# Altium PCB WaterPurifier.PcbDoc
Units mm, origin at the board's own origin, x right, y up, seen from the top; angles counter-clockwise.
Board outline 48 x 59 mm, 2 copper layers (Top Layer, Bottom Layer); 49 components, 43 nets, 223 pads, 74 vias.
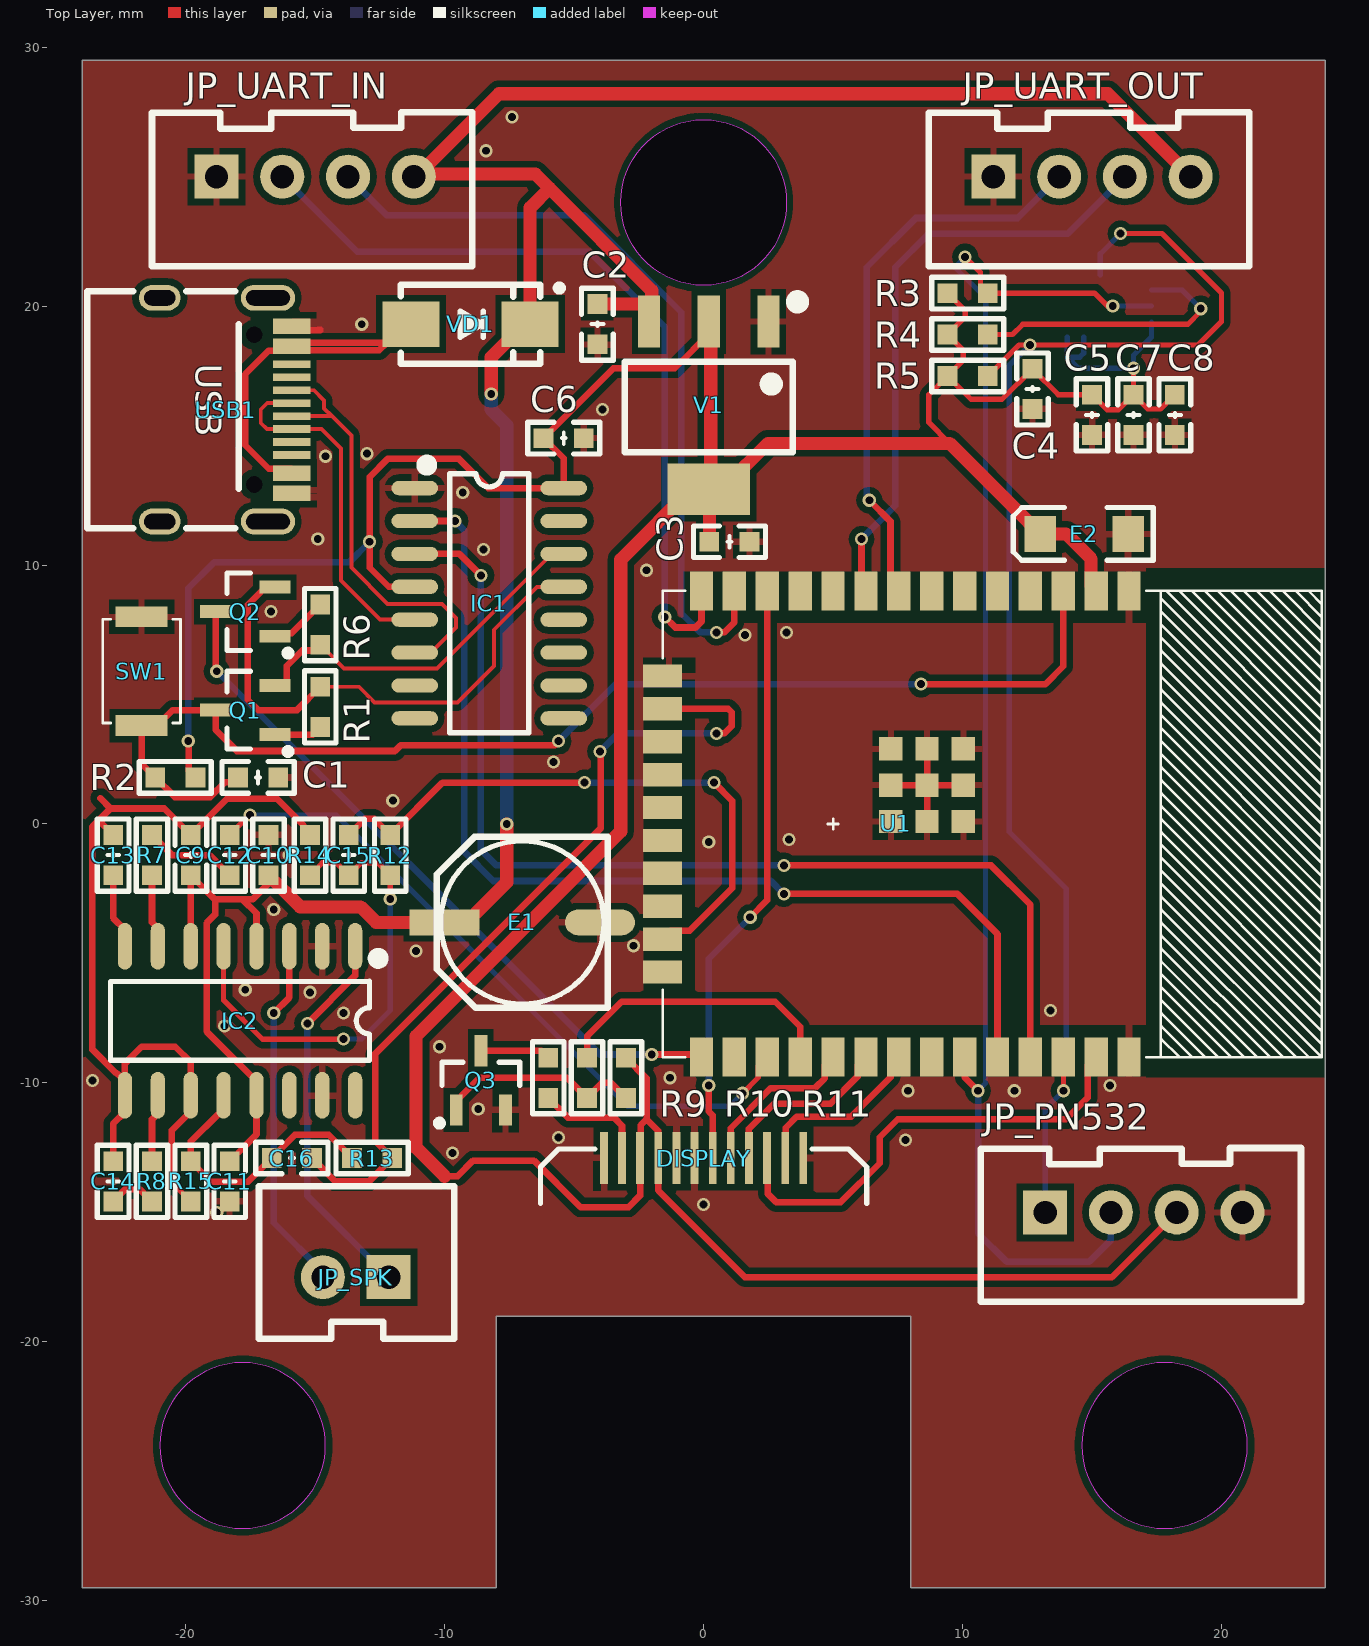
[diagram p0: Top Layer view]
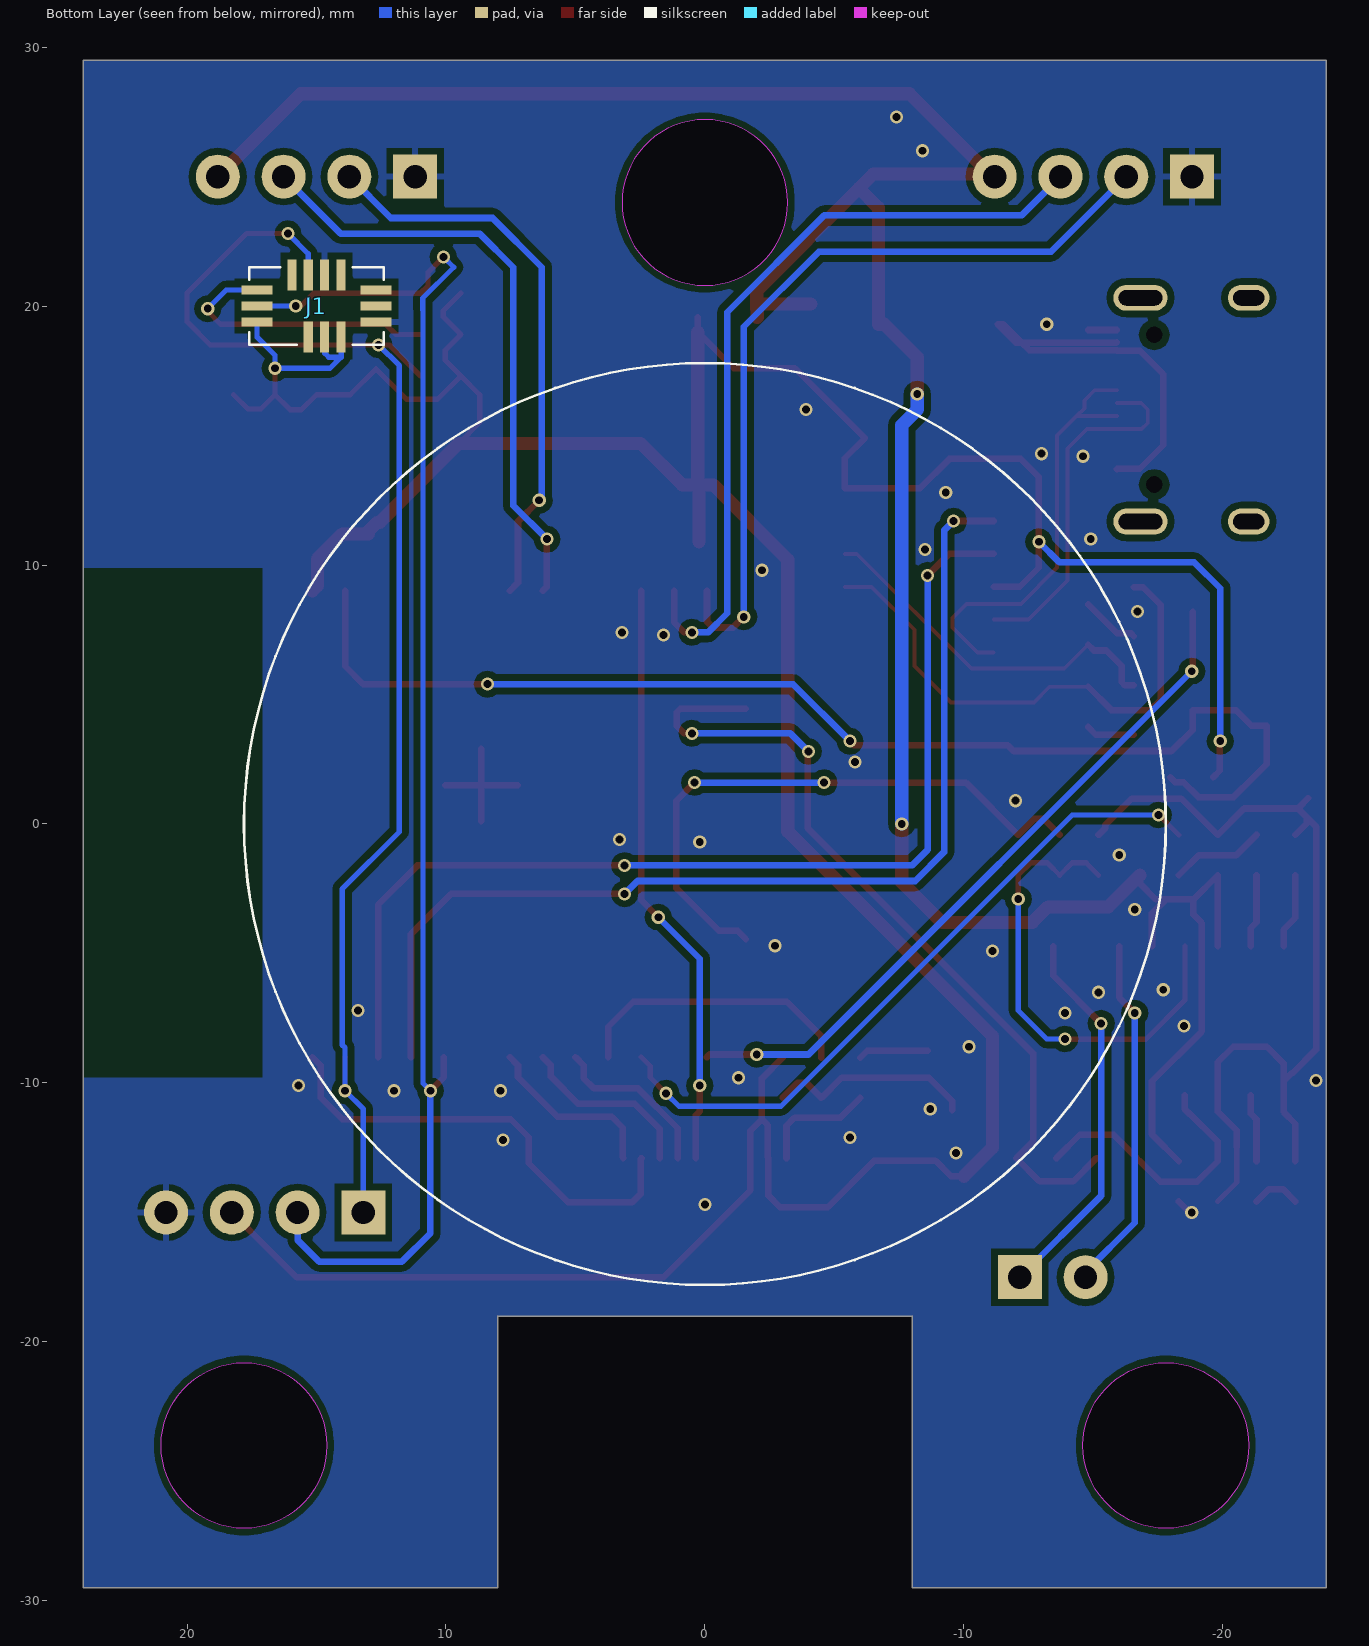
[diagram p1: Bottom Layer view, seen from below]
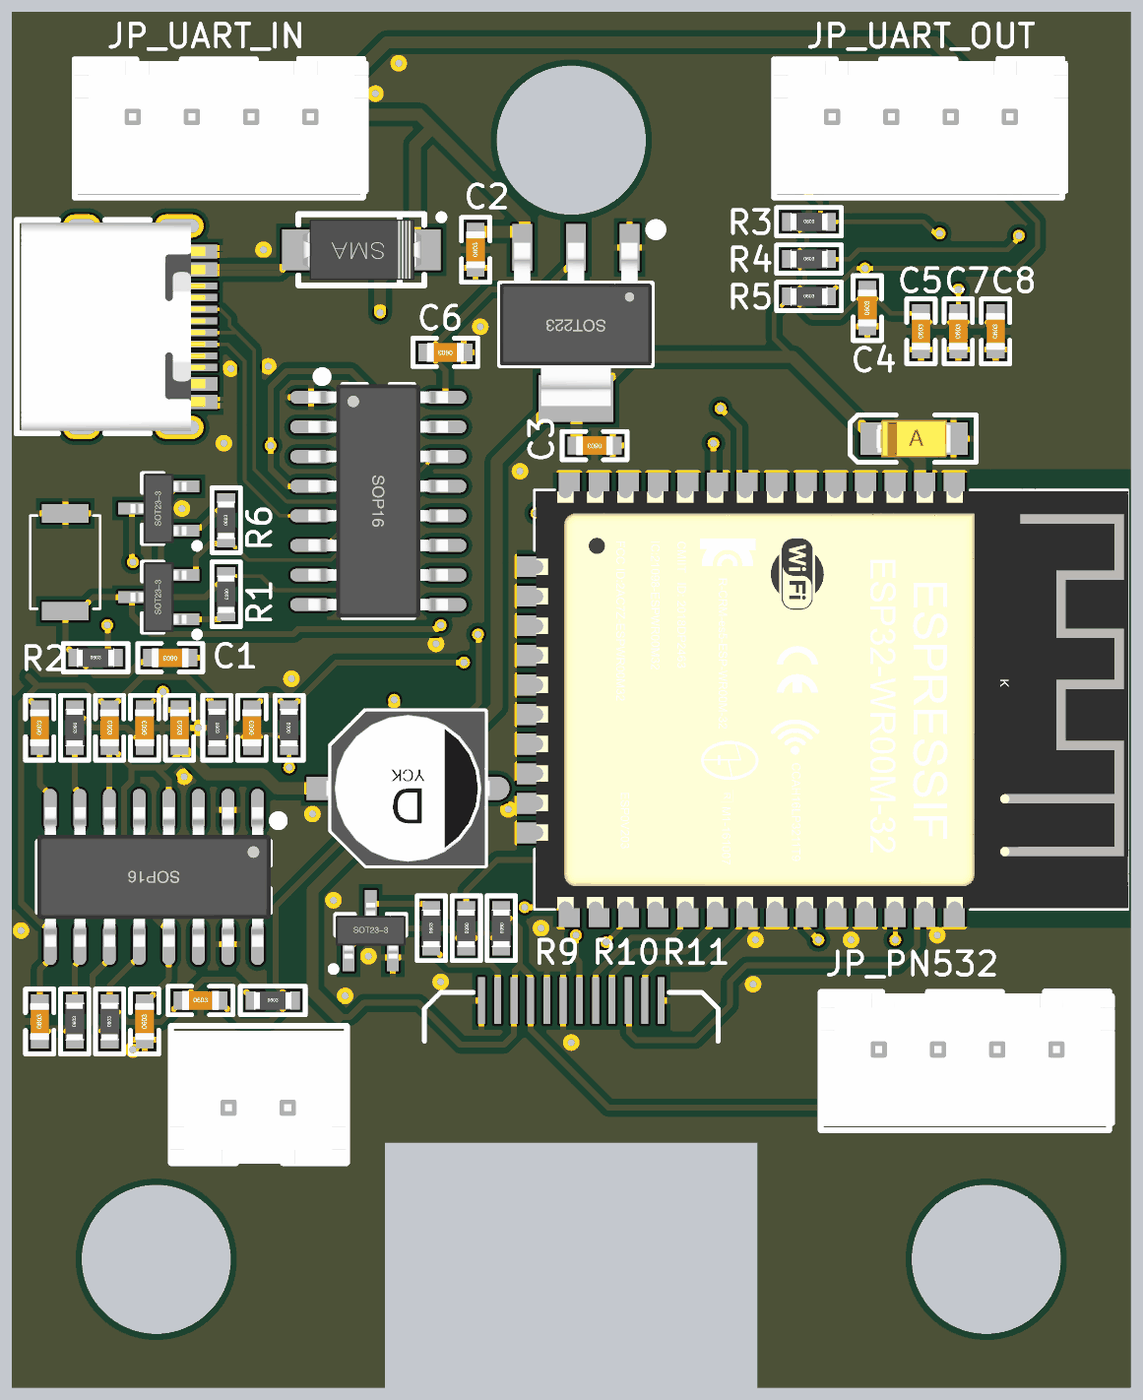
[diagram p2: 3D render of the assembled board from above, using the file's embedded part models]

## Layer stack, top to bottom
Top Solder: solder mask 0.0102, Solder Resist, Dk 3.5
Top Layer: signal copper 0.0356
Dielectric 1: dielectric 0.32, FR-4, Dk 4.8
Bottom Layer: signal copper 0.0356
Bottom Solder: solder mask 0.0102, Solder Resist, Dk 3.5

## Board outline
-24,-29.5 -24,29.5 24,29.5 24,-29.5 8,-29.5 8,-19 -8,-19 -8,-29.5
cut-out: 14.6,-24 ccw(c17.8,-24) 17.8,-27.2 ccw(c17.8,-24) 21,-24 ccw(c17.8,-24) 17.8,-20.8 ccw(c17.8,-24)
cut-out: -21,-24 ccw(c-17.8,-24) -17.8,-27.2 ccw(c-17.8,-24) -14.6,-24 ccw(c-17.8,-24) -17.8,-20.8 ccw(c-17.8,-24)
cut-out: 0,20.8 cw(c0,24) -3.2,24 cw(c0,24) 0,27.2 cw(c0,24) 3.2,24 cw(c0,24)

## Design rules (kind name [scope] priority, off if disabled: settings)
Clearance [All] p1: gap=0.254 ignorepadtopadclearanceinfootprint=FALSE except(0: Arc-Hole Track-Hole SMDPad-Hole THPad-Hole Via-Hole Fill-Hole Poly-Hole Region-Hole Text-Hole)
PlaneConnect [All] p1: pad.planeconnectstyle=Relief pad.reliefexpansion=0.508 pad.reliefentries=4 pad.reliefconductorwidth=0.254 pad.reliefairgap=0.254 via.planeconnectstyle=Direct via.reliefexpansion=0.508 via.reliefentries=4 via.reliefconductorwidth=0.254 via.reliefairgap=0.254
PolygonConnect [All] p1: thpad.connectstyle=Relief thpad.reliefconductorwidth=0.254 thpad.reliefentries=4 thpad.polygonreliefangle="90 Angle" thpad.airgapwidth=0.254 smdpad.connectstyle=Relief smdpad.reliefconductorwidth=0.254 smdpad.reliefentries=4 smdpad.polygonreliefangle="90 Angle" smdpad.airgapwidth=0.254 via.connectstyle=Direct via.reliefconductorwidth=0.254 via.reliefentries=4 via.polygonreliefangle="90 Angle" via.airgapwidth=0.254
RoutingVias [All] p1: holewidth=0.711 width=1.27 viastyle="Through Hole" minholewidth=0.305 minwidth=0.508 maxholewidth=0.305 maxwidth=0.508
SolderMaskExpansion [All] p1: expansion=0.102
Width [All] p1: maxlimit=0.508 minlimit=0.152 preferedwidth=0.254
29 further rules are at their usual default settings.

## Classes and differential pairs
component class WaterPurifier: J1

## Components (designator, comment, footprint, x,y, rotation, side; value= is the part's Value field where it differs from the comment)
C1 "105" "C 0603_L" -17.2,1.8 r180 top
C2 "106" "C 0603_L" -4.1,19.3 r90 top
C3 "106" "C 0603_L" 1,10.9 r180 top
C4 "105" "C 0603_L" 12.7,16.8 r90 top
C5 "105" "C 0603_L" 15,15.8 r90 top
C6 "104" "C 0603_L" -5.4,14.9 r180 top
C7 "105" "C 0603_L" 16.6,15.8 r90 top
C8 "106" "C 0603_L" 18.2,15.8 r90 top
C9 "105" "C 0603_L" -19.8,-1.2 r270 top
C10 "105" "C 0603_L" -16.8,-1.2 r270 top
C11 "105" "C 0603_L" -18.3,-13.8 r90 top
C12 "0.47uf" "C 0603_L" -18.3,-1.2 r90 top
C13 "105" "C 0603_L" -22.8,-1.2 r90 top
C14 "0.47uf" "C 0603_L" -22.8,-13.8 r90 top
C15 "104" "C 0603_L" -13.7,-1.2 r90 top
C16 "104" "C 0603_L" -15.9,-12.9 r0 top
DISPLAY "FPC1.0-12P" "FPC0.7 2H-WS-12P" 0,-15 r0 top locked
E1 "470uF/10V" "CM D(6.3*7.7)" -7,-3.8 r180 top
E2 "100uF/6.3V" "CD A(3216)" 14.7,11.2 r0 top
IC1 "CH340C" SOP16_N -8.277,8.525 r0 top
IC2 "PAM8403" SOP16_N -17.9,-7.6 r270 top
J1 "PAJ7620U2" PAJ7620U2 15,20 r90 bottom locked
JP_PN532 "HDR-1X4" XH2.54-LI-4P 17,-15 r0 top
JP_SPK "HDR-1X2" XH2.54-LI-2P -13.43,-17.5 r180 top
JP_UART_IN "HDR-1X4" XH2.54-LI-4P -15,25 r0 top locked
JP_UART_OUT "HDR-1X4" XH2.54-LI-4P 15,25 r0 top locked
Q1 "SS8050" SOT23-3N -17.7,4.4 r90 top
Q2 "SS8050" SOT23-3N -17.7,8.2 r90 top
Q3 "SS8050" SOT23-3N -8.6,-9.9 r0 top
R1 "10K" "R 0603_L" -14.8,4.523 r270 top
R2 "10K" "R 0603_L" -20.4,1.8 r0 top
R3 "10K" "R 0603_L" 10.2,20.5 r0 top
R4 "10K" "R 0603_L" 10.2,18.9 r0 top
R5 "10K" "R 0603_L" 10.2,17.3 r0 top
R6 "10K" "R 0603_L" -14.8,7.7 r90 top
R7 "10K" "R 0603_L" -21.3,-1.2 r270 top
R8 "10K" "R 0603_L" -21.3,-13.8 r90 top
R9 "10" "R 0603_L" -6,-9.8 r90 top
R10 "1K" "R 0603_L" -4.5,-9.8 r270 top
R11 "10K" "R 0603_L" -3,-9.8 r270 top
R12 "100k" "R 0603_L" -12.1,-1.2 r90 top
R13 "100k" "R 0603_L" -12.8,-12.9 r0 top
R14 "100k" "R 0603_L" -15.2,-1.2 r270 top
R15 "100k" "R 0603_L" -19.8,-13.8 r90 top
SW1 "3x6x5" TS3x4x2 -21.7,5.9 r180 top
U1 "ESP32-WROOM" ESP32-WROOM 5,0 r270 top locked
USB1 "USB-C" "USB Type-C-16Pin_A" -21,16 r270 top
V1 "AMS1117-3V3" SOT223_N 0.2,16.1 r180 top
VD1 "SS34" SMA -9,19.3 r0 top

## Footprints (in the part's own frame and the unit in brackets; to place one, negate y for a bottom-side part, rotate by r counter-clockwise, add the part's x,y. Pads: shape width x height; smd on the part's side, far side on the other; paste and mask are expansions set on the pad)
"C 0603_L" [mil] "无极性贴片电容"
  rect 30x30 smd: 1(-30.59,0) 2(30.59,0)
  silkscreen extent -55,-24 55,24, body extent -31,-16 31,16, height 32
"CD A(3216)" [mm] "长3.2mm，宽1.6mm，厚1.6mm"
  rect 1.2x1.4 smd: 1(-1.7,0) 2(1.7,0)
  silkscreen extent -2.74,-1.02 2.67,1.02, body extent -1.6,-0.8 1.6,0.8, height 1.6
"CM D(6.3*7.7)" [mm] "贴片电解电容，直径6.3mm，高7.7mm"
  rect 2.7x1 smd: 1(3,0)
  oval 2.7x1 smd: 2(-3,0)
  silkscreen extent -3.3,-3.3 3.3,3.3, body extent -3.5,-3.3 3.5,3.3, height 7.7
ESP32-WROOM [mm]
  rect 1.5x0.9 smd: 1(-9,11.43) 2(-9,10.16) 3(-9,8.89) 4(-9,7.62) 5(-9,6.35) 6(-9,5.08) 7(-9,3.81) 8(-9,2.54) 9(-9,1.27) 10(-9,0) 11(-9,-1.27) 12(-9,-2.54) 13(-9,-3.81) 14(-9,-5.08) 25(9,-5.08) 26(9,-3.81) 27(9,-2.54) 28(9,-1.27) 29(9,0) 30(9,1.27) 31(9,2.54) 32(9,3.81) 33(9,5.08) 34(9,6.35) 35(9,7.62) 36(9,8.89) 37(9,10.16) 38(9,11.43)
  rect 0.9x1.5 smd: 15(-5.715,-6.58) 16(-4.445,-6.58) 17(-3.175,-6.58) 18(-1.905,-6.58) 19(-0.635,-6.58) 20(0.635,-6.58) 21(1.905,-6.58) 22(3.175,-6.58) 23(4.445,-6.58) 24(5.715,-6.58)
  rect 0.9x0.9 smd: 39(-2.9,5.03) 39(-2.9,3.63) 39(-2.9,2.23) 39(-1.5,5.03) 39(-1.5,3.63) 39(-1.5,2.23) 39(-0.1,5.03) 39(-0.1,3.63) 39(-0.1,2.23)
  silkscreen extent -9,-6.58 9,18.87, body extent -8.95,-6.5 8.95,18.9, height 2.61
"FPC0.7 2H-WS-12P" [mm] "长：10.2mm，宽：5.2mm，高：2mm"
  rect 0.3x2 smd: 1(-3.85,2.1) 2(-3.15,2.1) 3(-2.45,2.1) 4(-1.75,2.1) 5(-1.05,2.1) 6(-0.35,2.1) 7(0.35,2.1) 8(1.05,2.1) 9(1.75,2.1) 10(2.45,2.1) 11(3.15,2.1) 12(3.85,2.1)
  silkscreen extent -6.3,0.35 6.3,2.45
PAJ7620U2 [mm] "手势传感器"
  rect 0.35x1.2 smd: 1(-0.618,2.3) 2(0,2.3) 3(0.618,2.3) 8(0.618,-2.3) 9(0,-2.3) 10(-0.618,-2.3)
  rect 1.2x0.35 smd: 4(1.2,0.953) 5(1.2,0.318) 6(1.2,-0.318) 7(1.2,-0.953) 11(-1.2,-0.953) 12(-1.2,-0.318) 13(-1.2,0.318)
  silkscreen extent -1.5,-2.6 1.5,2.6
"R 0603_L" [mil] "1/10W贴片电阻"
  rect 30x30 smd: 1(-30.59,0) 2(30.59,0)
  silkscreen extent -55,-24 55,24, body extent -31,-16 32,16, height 16
SMA [mm] "4.5x2.6*2.2mm（长宽高，不包括引脚）"
  rect 2.2x1.75 smd: 1(-2.3,0) 2(2.3,0)
  silkscreen extent -2.7,-1.52 3.56,1.52, body extent -2.53,-1.3 2.58,1.3, height 2.15
SOP16_N [mm] "10.3*6.2*1.8mm（长宽高）"
  oval 1.8x0.55 smd: 1(-2.877,4.445) 2(-2.877,3.175) 3(-2.877,1.905) 4(-2.877,0.635) 5(-2.877,-0.635) 6(-2.877,-1.905) 7(-2.877,-3.175) 8(-2.877,-4.445) 9(2.877,-4.445) 10(2.877,-3.175) 11(2.877,-1.905) 12(2.877,-0.635) 13(2.877,0.635) 14(2.877,1.905) 15(2.877,3.175) 16(2.877,4.445)
  silkscreen extent -2.57,-5 1.52,5.49, body extent -3,-5 3,5, height 1.9
SOT23-3N [mm] "3x1.3x1mm(长宽高)"
  rect 0.5x1.2 smd: 1(-0.95,-1.143) 2(0.95,-1.143) 3(0,1.143)
  silkscreen extent -1.72,-1.78 1.5,0.7, body extent -1.5,-1.2 1.5,1.2, height 1.05
SOT223_N [mm] "6.4x7x1.6mm(长宽高)"
  rect 0.85x2 smd: 1(-2.3,-3.302) 2(0,-3.302) 3(2.3,-3.302)
  rect 3.2x2 smd: 2(0,3.175)
  silkscreen extent -3.63,-4.26 3.25,1.75, body extent -3.25,-3.51 3.25,3.51, height 1.65
TS3x4x2 [mm] "防水轻触开关3x4x2"
  rect 2x0.8 smd: 1(0,2.1) 2(0,-2.1)
  silkscreen extent -1.5,-2 1.5,2
"USB Type-C-16Pin_A" [mm]
  round 0 hole 0.65: 0(-2.89,3.65) 0(2.89,3.65)
  oval 1x2.1 hole 0.6 slot 1.7 at 90 deg: 1(-4.32,4.18) 1(4.32,4.18)
  oval 1x1.6 hole 0.6 slot 1.2 at 90 deg: 1(-4.32,0) 1(4.32,0)
  rect 0.3x1.45 smd: A1(-3.375,5.092) A4(-2.6,5.092) A5(-1.25,5.092) A6(-0.25,5.092) A7(0.25,5.092) A8(-1.75,5.092) A9(2.6,5.1) A12(3.375,5.1) B1(3.075,5.1) B4(2.3,5.1) B5(1.75,5.092) B6(0.75,5.092) B7(-0.75,5.092) B8(1.25,5.092) B9(-2.3,5.092) B12(-3.075,5.092)
  silkscreen extent -4.57,-2.79 4.57,3.05, body extent -4.47,-2.6 4.47,5.3, height 3.25
XH2.54-LI-2P [mm] "接插件，2P"
  rect 1.7x1.7 hole 0.9: 1(-1.27,0)
  round 1.7 hole 0.9: 2(1.27,0)
  silkscreen extent -3.81,-3.51 3.74,2.37, body extent -3.77,-3.3 3.77,2.4, height 7.05
XH2.54-LI-4P [mm] "接插件，4P"
  rect 1.7x1.7 hole 0.9: 1(-3.81,0)
  round 1.7 hole 0.9: 2(-1.27,0) 3(1.27,0) 4(3.81,0)
  silkscreen extent -6.3,-3.45 6.07,2.49, body extent -6.31,-3.3 6.31,2.4, height 7.03

## Part data
C1 C2 C3 C4 C5 C6 C7 C8 C9 C10 C11 C12 C13 C14 C15 C16: library part C, "无极性贴片电容"
DISPLAY: library part FPC-12P, "FPC连接器", BOM名称=FPC连, 学习资源=www.ooocke.
E1: library part C-CM, "贴片电解电容"
E2: library part C-CD, "贴片钽电容"
IC1: library part CH340G, "串口转USB", BOM名称=´®¿Ú×, 学习资源=www.ooocke.
IC2: "2X3W D类功放", BOM名称="2X3W D类", 学习资源=www.ooocke.
J1: "反射型光耦"
JP_PN532 JP_UART_IN JP_UART_OUT: library part "Header 4", "4P接插件", BOM名称=4P接, 学习资源=www.ooocke.
JP_SPK: library part "Header 2", "2P接插件", BOM名称=2P接, 学习资源=www.ooocke.
Q1 Q2 Q3: library part 8050-SMD, "高频放大-NPN型", BOM名称=高频放大, 学习资源=www.ooocke., 属性="40V 1.5A 1W 100MH"
R1 R2 R3 R4 R5 R6 R7 R8 R9 R10 R11 R12 R13 R14 R15: library part R, "贴片电阻"
SW1: library part "TS 3x4", "3x6轻触开关", BOM名称=3x6Çá´, 学习资源=www.ooocke.
USB1: library part USB-C-16P, "USB-C型母接口", BOM名称=USB-CÐÍÄ, 学习资源=www.ooocke.
V1: library part AMS1117, "三端稳压芯片", BOM名称=ÎÈÑ, 学习资源=www.ooocke.
VD1: library part SS14, "肖特基二极管"

## Via types
v1: diameter 0.508, hole 0.305, Top Layer to Bottom Layer, 74 vias

## Nets (pads, with @x,y where several pads share a name; then routed paths per layer and width w, separated by ;. In a path a pad name is that pad's centre, name@x,y a point inside that pad or via, vN(x,y) a via of type N, cw(c..) or ccw(c..) an arc to the next point about the centre after c; other vN are vias at no path point)
3V3: C3.2 C4.2 C5.2 C6.2 C7.2 C8.2 DISPLAY.3 DISPLAY.4 E2.1 IC1.4 IC1.16 J1.1 J1.11 J1.12 JP_PN532.3 R2.2 R3.1 R4.1 R5.1 R11.1 U1.2 V1.2 | length 165.2
  Top Layer w0.203: R3.1 10.1,19.823 10.1,19.577 R4.1 10.023,18.3 10.023,17.9 R5.1 ; 9.5,14.7 8.7,15.5 8.7,16.577 R5.1 ; v1(16.6,17.6) C7.2 ; C8.2 17.646,16.023 17.154,16.023 C7.2 ; R5.1 10.323,16.4 11.523,16.4 C4.2 13.7,16.577 C5.2 15.577,16 16.023,16 C7.2
  Top Layer w0.254: v1(-19.9,3.2) -19.877,3.177 -19.877,2.054 R2.2 ; IC1.4 -12.16,9.16 -12.895,9.895 v1(-12.895,10.9) -12.895,13.405 -12.2,14.1 -9.446,14.1 -8.316,12.97 IC1.16 -5.4,14.123 C6.2 -3.477,17.6 -1.115,17.6 0.279,18.994 V1.2@0.279,19.569 ; -10,-13.6 -9.5,-13.6 -8.9,-13 -6.55,-13 -4.75,-14.8 -2.9,-14.8 -2.45,-14.35 DISPLAY.3 -2.427,-12.877 -2.427,-11.627 -2.2,-11.4 ; R11.1 -2.2,-9.823 -2.2,-11.4 ; JP_PN532.3 15.77,-17.5 1.6,-17.5 -1.75,-14.15 DISPLAY.4 -1.75,-11.85 -2.2,-11.4
  Top Layer w0.508: -10,-13.6 -11.1,-12.5 -11.1,-8.187 -3.2,-0.287 -3.2,10.213 -0.321,13.092 V1.2@0.279,13.092 ; C3.2 0.223,13.036 V1.2@0.279,13.092 ; V1.2@0.279,18.994 V1.2@0.279,13.092 ; U1.2 14.964,9.196 14.964,10.236 14,11.2 E2.1 13,11.3 12.654,11.646 12.554,11.646 9.5,14.7 2.487,14.7 0.879,13.092 V1.2@0.279,13.092
  Bottom Layer w0.203: J1.11 14.047,18.027 ; J1.12 14.682,18.182 14.527,18.027 14.047,18.027 ; v1@16.542,17.658 v1(16.6,17.6) ; J1.1 17.3,18.8 16.6,18.1 v1(16.6,17.6) ; 14.047,18.027 14.474,17.6 v1(16.6,17.6)
  Bottom Layer w0.254: v1(-19.9,3.2) -19.9,9.1 -18.9,10.1 -13.695,10.1 v1(-12.895,10.9)
#EN: C1.2 Q1.3 R2.1 SW1.1 U1.3 | length 47.3
  Top Layer w0.254: C1.2 -18.169,1.608 -18.487,1.608 -19.057,1.038 -20.415,1.038 R2.1 -21.7,2.323 SW1.1 -21.1,3.8 -20.5,4.4 Q1.3 -18.843,3.643 -18.019,2.819 -11.917,2.819 -11.702,3.035 -5.749,3.035 -5.6,3.184 v1(-5.6,3.2) ; v1(8.4,5.4) 13.2,5.4 13.89,6.09 U1.3
  Bottom Layer w0.254: v1(-5.6,3.2) -3.4,5.4 v1(8.4,5.4)
+5: C2.2 C9.2 C10.2 C11.2 E1.1 IC2.4 IC2.6 IC2.13 JP_UART_IN.4 JP_UART_OUT.4 V1.3 VD1.2 | length 105.9
  Top Layer w0.254: IC2.6 -19.805,-1.982 C9.2 -18.864,-2.913 ; C11.2 -17.265,-11.988 IC2.13 -17.265,-9.935 -19.191,-8.009 -19.191,-3.826 -18.864,-3.499 -18.864,-2.913 ; IC2.4 -17.265,-3.448 -17.8,-2.913 ; C10.2 -16.8,-2.3 -17.413,-2.913 -17.8,-2.913 ; -18.864,-2.913 -17.8,-2.913
  Top Layer w0.508: C10.2 -15.577,-3.2 -13.246,-3.2 -12.646,-3.8 E1.1 -9.15,-3.8 -7.6,-2.25 v1(-7.6,0) ; v1(-8.2,16.6) -8.2,18.025 -6.925,19.3 VD1.2 -6.7,23.8 -5.95,24.55 ; C2.2 -2.192,20.077 V1.3@-2.021,19.906 ; V1.3@-2.021,19.569 V1.3@-2.021,19.906 ; JP_UART_OUT.4 15.61,28.2 -7.9,28.2 JP_UART_IN.4@-11,25.1 ; JP_UART_IN.4@-11,25.1 -11.09,25.1 JP_UART_IN.4 -11.1,25 JP_UART_IN.4@-11,25.1 ; JP_UART_IN.4@-11,25.1 -6.5,25.1 -5.95,24.55 ; -5.95,24.55 -2,20.6 -2,19.885 V1.3@-2.021,19.906
  Bottom Layer w0.508: v1(-8.2,16.6) -8.2,16 -7.6,15.4 v1(-7.6,0)
AGND: C9.1 C13.2 C14.2 IC2.9 IC2.11 R14.1 R15.1 | length 35.2
  Top Layer w0.203: -20.539,-12.461 -20.539,-13.838 R15.1
  Top Layer w0.254: -23.3,1 -22.9,0.6 ; C14.2 -22.8,-11.575 -22.345,-11.12 IC2.9 IC2.9@-22.345,-9.932 ; C13.2 -23.25,0.027 -23.25,0.25 ; -20.539,-12.461 -20.539,-11.836 -19.805,-11.102 IC2.11 -19.805,-9.195 -20.4,-8.6 -21.7,-8.6 -22.345,-9.245 IC2.9@-22.345,-9.932 ; R14.1 -15.454,-0.169 -15.454,-0.046 -16.483,0.983 -17.715,0.983 -18.394,0.983 C9.1 -20.823,0.6 -22.9,0.6 ; -23.25,0.25 -23.6,-0.1 -23.6,-8.708 -22.685,-9.623 -22.654,-9.623 IC2.9@-22.345,-9.932 ; -23.25,0.25 -22.9,0.6
BLK: R10.1 U1.28 | length 11.2
  Top Layer w0.254: R10.1 -4.5,-8.2 -3.165,-6.865 2.765,-6.865 3.73,-7.83 U1.28
CS: DISPLAY.8 U1.29 | length 6.5
  Top Layer w0.254: DISPLAY.8 1.05,-11.748 2.598,-10.2 4.3,-10.2 4.677,-9.823 4.677,-9.323 U1.29
D13: C16.2 R13.2 U1.16 | length 32.2
  Top Layer w0.254: C16.2 -14.223,-13.8 -12.923,-13.8 R13.2 -12.673,-12.25 -12.673,-8.862 -3.965,-0.154 -3.965,2.765 v1(-4,2.8) ; U1.16 0.955,4.445 1.086,4.314 1.086,3.786 0.8,3.5 v1(0.5,3.5)
  Bottom Layer w0.254: v1(-4,2.8) -3.3,3.5 v1(0.5,3.5)
D15: C15.2 R12.2 U1.23 | length 23.3
  Top Layer w0.254: C15.2 -13.077,0.2 -12.723,0.2 R12.2 -10.077,1.6 v1(-4.6,1.6) ; U1.23 -1.257,-4.122 -0.538,-4.122 1.1,-2.484 1.1,0.9 v1(0.4,1.6)
  Bottom Layer w0.254: v1(-4.6,1.6) v1(0.4,1.6)
D+: IC1.5 USB1.A6 USB1.B6 | length 13.9
  Top Layer w0.152: USB1.A6 -16.85,16.25 -17.1,16 -17.1,15.488 -16.862,15.25 USB1.B6 -14.75,15.25 -14.006,14.506 -14.006,9.406 -12.49,7.89 IC1.5
D-: IC1.6 USB1.A7 USB1.B7 | length 17.1
  Top Layer w0.152: USB1.A7 -14.35,15.75 ; USB1.B7 -15.05,16.75 -14.65,16.35 -14.65,16.05 -14.35,15.75 ; IC1.6 -10.529,6.62 -9.563,7.586 -9.563,7.963 -10.1,8.5 -12.2,8.5 -13.6,9.9 -13.6,15 -14.35,15.75
DC: DISPLAY.7 U1.12 | length 22.9
  Top Layer w0.254: v1(0.2,-10.1) 0.2,-11.1 0.35,-11.25 DISPLAY.7 ; v1(1.8,-3.6) 2.46,-2.94 U1.12
  Bottom Layer w0.254: v1(0.2,-10.1) 0.2,-5.2 v1(1.8,-3.6)
DTR: IC1.13 Q2.2 R1.1 | length 20.6
  Top Layer w0.152: R1.1 -13.3,5.3 -12.7,4.7 -9.5,4.7 -8.1,6.1 -8.1,7.5 -6.44,9.16 IC1.13
  Top Layer w0.254: Q2.2 -16.907,9.15 -17.6,8.457 -17.6,4.8 -17.2,4.4 -15.7,4.4 R1.1
GND: C1.1 C2.1 C3.1 C4.1 C5.1 C6.1 C7.1 C8.1 C10.1 C11.1 DISPLAY.1 DISPLAY.5 DISPLAY.6 DISPLAY.12 E1.2 E2.2 IC1.1 IC2.2 IC2.15 J1.6 J1.10 JP_PN532.4 JP_UART_IN.1 JP_UART_OUT.1 Q3.2 SW1.2 U1.1 U1.15 U1.38 U1.39 USB1.A1 USB1.A12 USB1.B1 USB1.B12 V1.1 | length 7.4
  Top Layer w0.254: v1(-18.8,-15) -18.751,-14.951 -18.674,-14.951 C11.1 ; USB1.B12 -14.802,19.075 ; U1.39@7.23,1.5 U1.39@8.63,1.5 ; U1.39@8.63,0.1 U1.39@8.63,1.5 ; U1.39@8.63,2.9 U1.39@8.63,1.5 ; U1.39@10.03,1.5 U1.39@8.63,1.5
  other v1: 0,-14.7 -9.7,-12.7 7.8,-12.2 -5.6,-12.1 -8.7,-11 7.9,-10.3 12,-10.3 15.7,-10.1 -23.6,-9.9 -1.3,-9.8 -10.2,-8.6 -18.5,-7.8 -13.9,-7.3 13.4,-7.2 -15.2,-6.5 -17.7,-6.4 -11.1,-4.9 -2.7,-4.7 -16.6,-3.3 -16,-1.2 0.2,-0.7 3.3,-0.6 -12,0.9 -5.8,2.4 1.6,7.3 3.2,7.4 -16.7,8.2 -2.2,9.8 -8.5,10.6 -14.9,11 -9.3,12.8 -14.6,14.2 -13,14.3 -3.9,16 -13.2,19.3 -8.4,26 -7.4,27.3
INL: C12.2 U1.27 | length 26.8
  Top Layer w0.203: C12.2 -17.529,0.348 v1(-17.51,0.348) ; v1(1.5,-10.4) 2.112,-9.788 2.112,-9.348 U1.27
  Bottom Layer w0.203: v1(-17.51,0.348) -14.187,0.348 -2.94,-10.9 1,-10.9 v1(1.5,-10.4)
INT: J1.3 R4.2 | length 10.9
  Top Layer w0.203: R4.2 11.93,18.9 12.33,19.3 18.7,19.3 19.2,19.8 v1(19.2,19.9)
  Bottom Layer w0.203: J1.3 18.482,20.618 v1(19.2,19.9)
IO0: Q2.3 U1.25 | length 27.2
  Top Layer w0.254: Q2.3 -18.843,5.943 v1(-18.8,5.9) ; v1(-2,-8.9) -0.18,-8.9 U1.25
  Bottom Layer w0.254: v1(-18.8,5.9) -4,-8.9 v1(-2,-8.9)
LEDK: DISPLAY.2 R9.1 | length 4.5
  Top Layer w0.254: R9.1 -5.238,-11.339 -3.461,-11.339 -3.15,-11.65 DISPLAY.2
MOSI: DISPLAY.10 U1.37 | length 17.8
  Top Layer w0.254: DISPLAY.10 2.473,-12.923 2.473,-14.273 2.8,-14.6 5.3,-14.6 6.8,-13.1 6.8,-12.1 7.5,-11.4 14,-11.4 14.837,-10.563 14.837,-9.323 U1.37
MUTE: C15.1 IC2.5 R12.1 R14.2 | length 18.7
  Top Layer w0.203: IC2.5 -18.535,-6.803 -17.028,-8.31 -13.91,-8.31 v1(-13.9,-8.3) ; R14.2 -14.723,-1.5 -14.177,-1.5 C15.1 -13.223,-1.5 -12.577,-1.5 R12.1 v1(-12.1,-2.9)
  Bottom Layer w0.203: v1(-13.9,-8.3) -13.2,-8.3 -12.1,-7.2 v1(-12.1,-2.9)
NetC12_1: C12.1 R7.1 | length 3.6
  Top Layer w0.254: R7.1 -20.523,-1.2 -19.077,-1.2 C12.1
NetC13_1: C13.1 IC2.8 | length 2.9
  Top Layer w0.254: C13.1 -22.8,-3.625 -22.345,-4.08 IC2.8
NetC14_1: C14.1 R8.1 | length 1.9
  Top Layer w0.254: C14.1 -22.323,-14.1 -21.777,-14.1 R8.1
NetIC2_1: IC2.1 JP_SPK.1 | length 16
  Top Layer w0.254: v1(-15.3,-7.7) -13.455,-5.855 IC2.1 ; JP_SPK.1@-11.53,-17 -11.53,-18.122 JP_SPK.1@-11.491,-18.161
  Bottom Layer w0.254: v1(-15.3,-7.7) -15.3,-14.36 JP_SPK.1
NetIC2_3: IC2.3 JP_SPK.2 | length 13.8
  Top Layer w0.254: v1(-16.6,-7.3) -15.995,-6.695 IC2.3
  Bottom Layer w0.254: v1(-16.6,-7.3) -16.6,-15.4 -14.7,-17.3 JP_SPK.2
NetIC2_7: IC2.7 R7.2 | length 2.8
  Top Layer w0.254: R7.2 -21.3,-3.793 -21.075,-4.018 IC2.7
NetIC2_10: IC2.10 R8.2 | length 2.6
  Top Layer w0.254: R8.2 -21.3,-11.407 -21.075,-11.182 IC2.10
NetQ1_1: Q1.1 R1.2 | length 1.9
  Top Layer w0.254: Q1.1 -15.096,3.45 R1.2
NetQ2_1: Q2.1 R6.2 | length 2.3
  Top Layer w0.254: Q2.1 -16.434,7.373 -15.904,7.373 R6.2
NetQ3_1: Q3.1 R10.2 R11.2 | length 8.1
  Top Layer w0.254: Q3.1 -9.55,-10.693 -8.657,-9.8 -5.277,-9.8 R10.2 -3.923,-10 -3.577,-10 R11.2
NetQ3_3: Q3.3 R9.2 | length 2.7
  Top Layer w0.254: Q3.3 -6.266,-8.757 R9.2
RES: DISPLAY.11 U1.31 | length 6.9
  Top Layer w0.254: DISPLAY.11 3.173,-12.877 3.173,-11.727 3.592,-11.308 5.692,-11.308 7.217,-9.783 7.217,-9.323 U1.31
RTS: IC1.14 Q1.2 R6.1 | length 14.4
  Top Layer w0.152: R6.1 -13.877,6 -10.293,6 -5.863,10.43 IC1.14
  Top Layer w0.254: Q1.2 -16.223,5.35 -16.1,5.473 -16.1,6.1 -15.5,6.7 -15.023,6.7 R6.1
SCK: DISPLAY.9 U1.30 | length 7.1
  Top Layer w0.254: DISPLAY.9 1.75,-11.766 2.716,-10.8 4.9,-10.8 5.947,-9.753 5.947,-9.323 U1.30
SCL: J1.5 JP_PN532.1 R5.2 U1.36 | length 54.2
  Top Layer w0.203: R5.2 12.177,18.5 v1(12.6,18.5) 19.1,18.5 20,19.4 20,20.5 17.7,22.8 v1(16.1,22.8) ; U1.36 13.9,-9.01 v1(13.9,-10.3)
  Bottom Layer w0.203: v1(12.6,18.5) 11.8,17.7 11.8,-0.3 14.01,-2.51 14.01,-8.528 13.9,-8.637 v1(13.9,-10.3) 13.19,-11.01 JP_PN532.1 ; J1.5 15.318,22.018 v1(16.1,22.8)
SDA: J1.2 JP_PN532.2 R3.2 U1.33 | length 55.3
  Top Layer w0.203: v1(10.1,21.9) 10.698,21.302 10.698,20.779 R3.2 15.1,20.5 15.616,19.984 15.784,19.984 v1(15.8,20)
  Top Layer w0.254: U1.33 10.08,-9.78 v1(10.6,-10.3)
  Bottom Layer w0.203: v1(10.1,21.9) 9.7,21.5 10.9,20.3 10.9,19.862 10.89,19.852 10.89,-10.01 v1(10.6,-10.3) ; v1(15.8,20) J1.2
  Bottom Layer w0.254: v1(10.6,-10.3) 10.6,-15.8 11.7,-16.9 14.9,-16.9 15.73,-16.07 JP_PN532.2
SHDN: C16.1 IC2.12 R13.1 R15.2 | length 10.6
  Top Layer w0.254: IC2.12 -18.535,-11.022 -18.672,-11.159 -18.698,-11.159 -19.8,-12.261 R15.2 -19.008,-13.815 -17.592,-13.815 C16.1@-16.8,-13.023 ; C16.1 -15.777,-12 -14.477,-12 R13.1
UART_RX: IC1.3 U1.35 | length 41.5
  Top Layer w0.254: IC1.3 -9.43,10.43 v1(-8.6,9.6) ; v1(3.1,-1.6) 11.1,-1.6 12.62,-3.12 U1.35
  Bottom Layer w0.254: v1(-8.6,9.6) -8.6,-1 -8,-1.6 v1(3.1,-1.6)
UART_RX2: JP_UART_IN.2 U1.14 | length 31.2
  Top Layer w0.254: v1(-1.5,8) -1.088,7.588 -0.312,7.588 -0.08,7.82 U1.14
  Bottom Layer w0.254: JP_UART_IN.2 -13.37,22.1 -4.4,22.1 -1.5,19.2 v1(-1.5,8)
UART_RX3: JP_UART_OUT.2 U1.8 | length 21.9
  Top Layer w0.254: v1(6.4,12.5) 7.217,11.683 7.217,9.323 U1.8
  Bottom Layer w0.254: v1(6.4,12.5) 6.3,12.6 6.3,21.5 8.2,23.4 12.13,23.4 JP_UART_OUT.2
UART_TX: IC1.2 U1.34 | length 41.1
  Top Layer w0.254: IC1.2 v1(-9.6,11.7) ; v1(3.1,-2.7) 9.8,-2.7 11.35,-4.25 U1.34
  Bottom Layer w0.254: v1(-9.6,11.7) -9.235,11.335 -9.235,-1.083 -8.118,-2.2 2.6,-2.2 v1(3.1,-2.7)
UART_TX2: JP_UART_IN.3 U1.13 | length 30.5
  Top Layer w0.254: JP_UART_IN.3 JP_UART_IN.3@-13.6,25 ; v1(0.5,7.4) 0.8,7.4 1.19,7.79 U1.13
  Bottom Layer w0.254: JP_UART_IN.3 -12.23,23.5 -4.6,23.5 -0.865,19.765 -0.865,8.142 -0.123,7.4 v1(0.5,7.4)
UART_TX3: JP_UART_OUT.3 U1.9 | length 23.4
  Top Layer w0.254: v1(6.1,11) 6.1,9.17 U1.9
  Bottom Layer w0.254: v1(6.1,11) 7.4,12.3 7.4,21.5 8.7,22.8 14.07,22.8 JP_UART_OUT.3
USB_VDD: USB1.A4 USB1.A9 USB1.B4 USB1.B9 VD1.1 | length 17
  Top Layer w0.254: USB1.A4 -15.885,18.577 VD1.1@-12.248,18.577 ; USB1.B4 -15.919,13.719 -16.791,13.719 -17.7,14.628 -17.7,17.372 -16.791,18.281 -15.927,18.281 USB1.B9 -12.525,18.3 VD1.1@-12.248,18.577 ; VD1.1@-12.248,18.577 -11.525,19.3 VD1.1 -12.023,18.577 VD1.1@-12.248,18.577
pads on no net: IC1.7 IC1.8 IC1.9 IC1.10 IC1.11 IC1.12 IC1.15 IC2.14 IC2.16 J1.4 J1.7 J1.8 J1.9 J1.13 U1.4 U1.5 U1.6 U1.7 U1.10 U1.11 U1.17 U1.18 U1.19 U1.20 U1.21 U1.22 U1.24 U1.26 U1.32 USB1.0 USB1.1 USB1.A5 USB1.A8 USB1.B5 USB1.B8

## Polygon pours and split planes (outlines as drawn)
GND on Bottom Layer "GND_L02_P001" (solid, remove dead copper, pour order 1): -24,-29.5 -24,29.5 24,29.5 24,-29.5 8,-29.5 8,-19 -8,-19 -8,-29.5
GND on Top Layer "GND_L01_P000" (solid, remove dead copper, pour order 0): -24,-29.5 -24,29.5 24,29.5 24,-29.5 8,-29.5 8,-19 -8,-19 -8,-29.5

## Other copper
Top Layer:
  pour cut-out: 17.067,-9.794 24.052,-9.794 24.052,9.891 17.067,9.891
Bottom Layer:
  pour cut-out: 17.067,-9.794 24.052,-9.794 24.052,9.891 17.067,9.891

## Silkscreen, mask and mechanical layers (free items; w line width, h text height)
Bottom Overlay:
  circle w0.1: c0,0 r17.8
Mechanical 1:
  circle w0.1: c17.8,-24 r3.2
  circle w0.1: c-17.8,-24 r3.2
  circle w0.1: c0,24 r3.2
  lines w0.1: -24,-29.5 -8,-29.5 -8,-19 8,-19 8,-29.5 24,-29.5 24,29.5 -24,29.5 -24,-29.5

## Text inside footprints (layer, text, board x,y; h text height)
USB1: Top Overlay "USB" at -19.603,17.778 h1 r270